# KiCad board rabbit_mask_video_edit.kicad_pcb (continued)
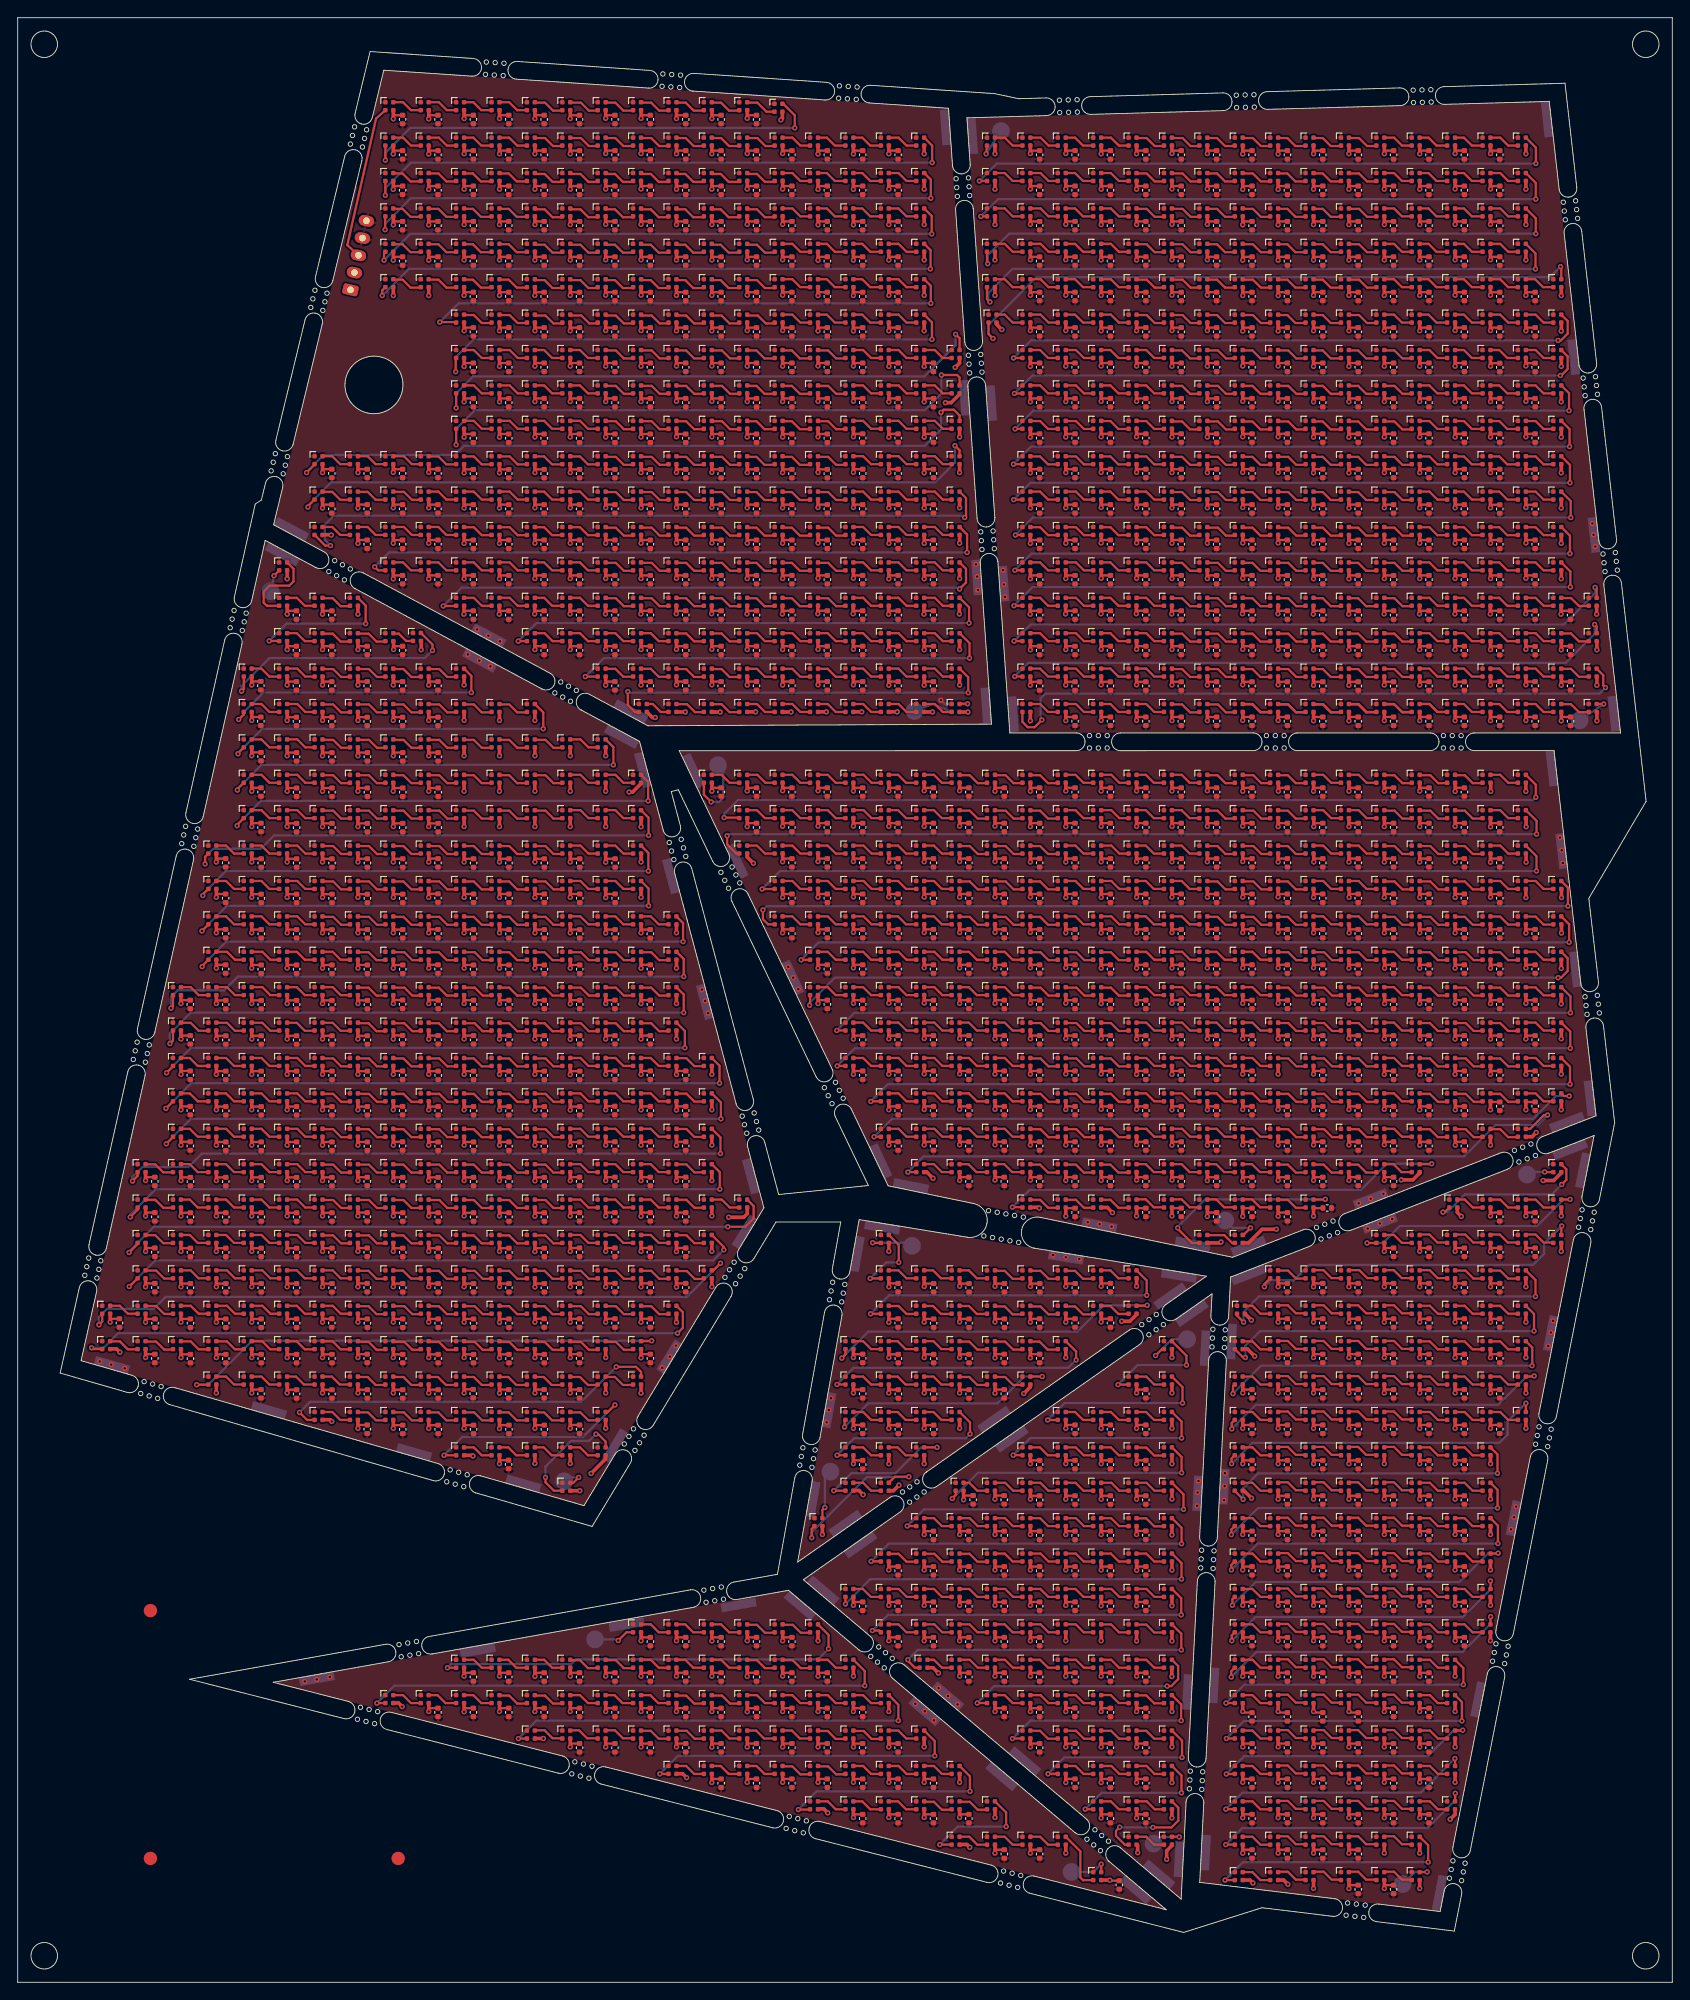
[diagram p0: board, top side]
## Placement (name value [footprint] x y rotation side) (continued)
D810  SK6812-1515  [LED_SK6812_EC15_1.5x1.5mm]  18 112 0 top
D811  SK6812-1515  [LED_SK6812_EC15_1.5x1.5mm]  22 112 0 top
D812  SK6812-1515  [LED_SK6812_EC15_1.5x1.5mm]  26 112 0 top
D813  SK6812-1515  [LED_SK6812_EC15_1.5x1.5mm]  30 112 0 top
D814  SK6812-1515  [LED_SK6812_EC15_1.5x1.5mm]  34 112 0 top
D815  SK6812-1515  [LED_SK6812_EC15_1.5x1.5mm]  38 112 0 top
D816  SK6812-1515  [LED_SK6812_EC15_1.5x1.5mm]  42 112 0 top
D817  SK6812-1515  [LED_SK6812_EC15_1.5x1.5mm]  46 112 0 top
D818  SK6812-1515  [LED_SK6812_EC15_1.5x1.5mm]  50 112 0 top
D819  SK6812-1515  [LED_SK6812_EC15_1.5x1.5mm]  54 112 0 top
D820  SK6812-1515  [LED_SK6812_EC15_1.5x1.5mm]  58 112 0 top
D821  SK6812-1515  [LED_SK6812_EC15_1.5x1.5mm]  62 112 0 top
D822  SK6812-1515  [LED_SK6812_EC15_1.5x1.5mm]  66 112 0 top
D823  SK6812-1515  [LED_SK6812_EC15_1.5x1.5mm]  70 112 0 top
D824  SK6812-1515  [LED_SK6812_EC15_1.5x1.5mm]  74 112 0 top
D825  SK6812-1515  [LED_SK6812_EC15_1.5x1.5mm]  90 112 0 top
D826  SK6812-1515  [LED_SK6812_EC15_1.5x1.5mm]  94 112 0 top
D827  SK6812-1515  [LED_SK6812_EC15_1.5x1.5mm]  98 112 0 top
D828  SK6812-1515  [LED_SK6812_EC15_1.5x1.5mm]  102 112 0 top
D829  SK6812-1515  [LED_SK6812_EC15_1.5x1.5mm]  106 112 0 top
D830  SK6812-1515  [LED_SK6812_EC15_1.5x1.5mm]  110 112 0 top
D831  SK6812-1515  [LED_SK6812_EC15_1.5x1.5mm]  114 112 0 top
D832  SK6812-1515  [LED_SK6812_EC15_1.5x1.5mm]  118 112 0 top
D833  SK6812-1515  [LED_SK6812_EC15_1.5x1.5mm]  122 112 0 top
D834  SK6812-1515  [LED_SK6812_EC15_1.5x1.5mm]  126 112 0 top
D835  SK6812-1515  [LED_SK6812_EC15_1.5x1.5mm]  130 112 0 top
D836  SK6812-1515  [LED_SK6812_EC15_1.5x1.5mm]  134 112 0 top
D837  SK6812-1515  [LED_SK6812_EC15_1.5x1.5mm]  138 112 0 top
D838  SK6812-1515  [LED_SK6812_EC15_1.5x1.5mm]  142 112 0 top
D839  SK6812-1515  [LED_SK6812_EC15_1.5x1.5mm]  146 112 0 top
D840  SK6812-1515  [LED_SK6812_EC15_1.5x1.5mm]  150 112 0 top
D841  SK6812-1515  [LED_SK6812_EC15_1.5x1.5mm]  154 112 0 top
D842  SK6812-1515  [LED_SK6812_EC15_1.5x1.5mm]  158 112 0 top
D843  SK6812-1515  [LED_SK6812_EC15_1.5x1.5mm]  162 112 0 top
D844  SK6812-1515  [LED_SK6812_EC15_1.5x1.5mm]  166 112 0 top
D845  SK6812-1515  [LED_SK6812_EC15_1.5x1.5mm]  170 112 0 top
D846  SK6812-1515  [LED_SK6812_EC15_1.5x1.5mm]  174 112 0 top
D847  SK6812-1515  [LED_SK6812_EC15_1.5x1.5mm]  18 108 0 top
D848  SK6812-1515  [LED_SK6812_EC15_1.5x1.5mm]  22 108 0 top
D849  SK6812-1515  [LED_SK6812_EC15_1.5x1.5mm]  26 108 0 top
D850  SK6812-1515  [LED_SK6812_EC15_1.5x1.5mm]  30 108 0 top
D851  SK6812-1515  [LED_SK6812_EC15_1.5x1.5mm]  34 108 0 top
D852  SK6812-1515  [LED_SK6812_EC15_1.5x1.5mm]  38 108 0 top
D853  SK6812-1515  [LED_SK6812_EC15_1.5x1.5mm]  42 108 0 top
D854  SK6812-1515  [LED_SK6812_EC15_1.5x1.5mm]  46 108 0 top
D855  SK6812-1515  [LED_SK6812_EC15_1.5x1.5mm]  50 108 0 top
D856  SK6812-1515  [LED_SK6812_EC15_1.5x1.5mm]  54 108 0 top
D857  SK6812-1515  [LED_SK6812_EC15_1.5x1.5mm]  58 108 0 top
D858  SK6812-1515  [LED_SK6812_EC15_1.5x1.5mm]  62 108 0 top
D859  SK6812-1515  [LED_SK6812_EC15_1.5x1.5mm]  66 108 0 top
D860  SK6812-1515  [LED_SK6812_EC15_1.5x1.5mm]  70 108 0 top
D861  SK6812-1515  [LED_SK6812_EC15_1.5x1.5mm]  74 108 0 top
D862  SK6812-1515  [LED_SK6812_EC15_1.5x1.5mm]  94 108 0 top
D863  SK6812-1515  [LED_SK6812_EC15_1.5x1.5mm]  98 108 0 top
D864  SK6812-1515  [LED_SK6812_EC15_1.5x1.5mm]  102 108 0 top
D865  SK6812-1515  [LED_SK6812_EC15_1.5x1.5mm]  106 108 0 top
D866  SK6812-1515  [LED_SK6812_EC15_1.5x1.5mm]  110 108 0 top
D867  SK6812-1515  [LED_SK6812_EC15_1.5x1.5mm]  114 108 0 top
D868  SK6812-1515  [LED_SK6812_EC15_1.5x1.5mm]  118 108 0 top
D869  SK6812-1515  [LED_SK6812_EC15_1.5x1.5mm]  122 108 0 top
D870  SK6812-1515  [LED_SK6812_EC15_1.5x1.5mm]  126 108 0 top
D871  SK6812-1515  [LED_SK6812_EC15_1.5x1.5mm]  130 108 0 top
D872  SK6812-1515  [LED_SK6812_EC15_1.5x1.5mm]  134 108 0 top
D873  SK6812-1515  [LED_SK6812_EC15_1.5x1.5mm]  138 108 0 top
D874  SK6812-1515  [LED_SK6812_EC15_1.5x1.5mm]  142 108 0 top
D875  SK6812-1515  [LED_SK6812_EC15_1.5x1.5mm]  146 108 0 top
D876  SK6812-1515  [LED_SK6812_EC15_1.5x1.5mm]  150 108 0 top
D877  SK6812-1515  [LED_SK6812_EC15_1.5x1.5mm]  154 108 0 top
D878  SK6812-1515  [LED_SK6812_EC15_1.5x1.5mm]  158 108 0 top
D879  SK6812-1515  [LED_SK6812_EC15_1.5x1.5mm]  162 108 0 top
D880  SK6812-1515  [LED_SK6812_EC15_1.5x1.5mm]  166 108 0 top
D881  SK6812-1515  [LED_SK6812_EC15_1.5x1.5mm]  170 108 0 top
D882  SK6812-1515  [LED_SK6812_EC15_1.5x1.5mm]  174 108 0 top
D883  SK6812-1515  [LED_SK6812_EC15_1.5x1.5mm]  18 104 0 top
D884  SK6812-1515  [LED_SK6812_EC15_1.5x1.5mm]  22 104 0 top
D885  SK6812-1515  [LED_SK6812_EC15_1.5x1.5mm]  26 104 0 top
D886  SK6812-1515  [LED_SK6812_EC15_1.5x1.5mm]  30 104 0 top
D887  SK6812-1515  [LED_SK6812_EC15_1.5x1.5mm]  34 104 0 top
D888  SK6812-1515  [LED_SK6812_EC15_1.5x1.5mm]  38 104 0 top
D889  SK6812-1515  [LED_SK6812_EC15_1.5x1.5mm]  42 104 0 top
D890  SK6812-1515  [LED_SK6812_EC15_1.5x1.5mm]  46 104 0 top
D891  SK6812-1515  [LED_SK6812_EC15_1.5x1.5mm]  50 104 0 top
D892  SK6812-1515  [LED_SK6812_EC15_1.5x1.5mm]  54 104 0 top
D893  SK6812-1515  [LED_SK6812_EC15_1.5x1.5mm]  58 104 0 top
D894  SK6812-1515  [LED_SK6812_EC15_1.5x1.5mm]  62 104 0 top
D895  SK6812-1515  [LED_SK6812_EC15_1.5x1.5mm]  66 104 0 top
D896  SK6812-1515  [LED_SK6812_EC15_1.5x1.5mm]  70 104 0 top
D897  SK6812-1515  [LED_SK6812_EC15_1.5x1.5mm]  74 104 0 top
D898  SK6812-1515  [LED_SK6812_EC15_1.5x1.5mm]  78 104 0 top
D899  SK6812-1515  [LED_SK6812_EC15_1.5x1.5mm]  94 104 0 top
D900  SK6812-1515  [LED_SK6812_EC15_1.5x1.5mm]  98 104 0 top
D901  SK6812-1515  [LED_SK6812_EC15_1.5x1.5mm]  102 104 0 top
D902  SK6812-1515  [LED_SK6812_EC15_1.5x1.5mm]  106 104 0 top
D903  SK6812-1515  [LED_SK6812_EC15_1.5x1.5mm]  110 104 0 top
D904  SK6812-1515  [LED_SK6812_EC15_1.5x1.5mm]  114 104 0 top
D905  SK6812-1515  [LED_SK6812_EC15_1.5x1.5mm]  118 104 0 top
D906  SK6812-1515  [LED_SK6812_EC15_1.5x1.5mm]  122 104 0 top
D907  SK6812-1515  [LED_SK6812_EC15_1.5x1.5mm]  126 104 0 top
D908  SK6812-1515  [LED_SK6812_EC15_1.5x1.5mm]  130 104 0 top
D909  SK6812-1515  [LED_SK6812_EC15_1.5x1.5mm]  134 104 0 top
D910  SK6812-1515  [LED_SK6812_EC15_1.5x1.5mm]  138 104 0 top
D911  SK6812-1515  [LED_SK6812_EC15_1.5x1.5mm]  142 104 0 top
D912  SK6812-1515  [LED_SK6812_EC15_1.5x1.5mm]  146 104 0 top
D913  SK6812-1515  [LED_SK6812_EC15_1.5x1.5mm]  150 104 0 top
D914  SK6812-1515  [LED_SK6812_EC15_1.5x1.5mm]  154 104 0 top
D915  SK6812-1515  [LED_SK6812_EC15_1.5x1.5mm]  158 104 0 top
D916  SK6812-1515  [LED_SK6812_EC15_1.5x1.5mm]  162 104 0 top
D917  SK6812-1515  [LED_SK6812_EC15_1.5x1.5mm]  166 104 0 top
D918  SK6812-1515  [LED_SK6812_EC15_1.5x1.5mm]  170 104 0 top
D919  SK6812-1515  [LED_SK6812_EC15_1.5x1.5mm]  174 104 0 top
D920  SK6812-1515  [LED_SK6812_EC15_1.5x1.5mm]  18 100 0 top
D921  SK6812-1515  [LED_SK6812_EC15_1.5x1.5mm]  22 100 0 top
D922  SK6812-1515  [LED_SK6812_EC15_1.5x1.5mm]  26 100 0 top
D923  SK6812-1515  [LED_SK6812_EC15_1.5x1.5mm]  30 100 0 top
D924  SK6812-1515  [LED_SK6812_EC15_1.5x1.5mm]  34 100 0 top
D925  SK6812-1515  [LED_SK6812_EC15_1.5x1.5mm]  38 100 0 top
D926  SK6812-1515  [LED_SK6812_EC15_1.5x1.5mm]  42 100 0 top
D927  SK6812-1515  [LED_SK6812_EC15_1.5x1.5mm]  46 100 0 top
D928  SK6812-1515  [LED_SK6812_EC15_1.5x1.5mm]  50 100 0 top
D929  SK6812-1515  [LED_SK6812_EC15_1.5x1.5mm]  54 100 0 top
D930  SK6812-1515  [LED_SK6812_EC15_1.5x1.5mm]  58 100 0 top
D931  SK6812-1515  [LED_SK6812_EC15_1.5x1.5mm]  62 100 0 top
D932  SK6812-1515  [LED_SK6812_EC15_1.5x1.5mm]  66 100 0 top
D933  SK6812-1515  [LED_SK6812_EC15_1.5x1.5mm]  70 100 0 top
D934  SK6812-1515  [LED_SK6812_EC15_1.5x1.5mm]  74 100 0 top
D935  SK6812-1515  [LED_SK6812_EC15_1.5x1.5mm]  78 100 0 top
D936  SK6812-1515  [LED_SK6812_EC15_1.5x1.5mm]  98 100 0 top
D937  SK6812-1515  [LED_SK6812_EC15_1.5x1.5mm]  102 100 0 top
D938  SK6812-1515  [LED_SK6812_EC15_1.5x1.5mm]  106 100 0 top
D939  SK6812-1515  [LED_SK6812_EC15_1.5x1.5mm]  110 100 0 top
D940  SK6812-1515  [LED_SK6812_EC15_1.5x1.5mm]  114 100 0 top
D941  SK6812-1515  [LED_SK6812_EC15_1.5x1.5mm]  118 100 0 top
D942  SK6812-1515  [LED_SK6812_EC15_1.5x1.5mm]  122 100 0 top
D943  SK6812-1515  [LED_SK6812_EC15_1.5x1.5mm]  126 100 0 top
D944  SK6812-1515  [LED_SK6812_EC15_1.5x1.5mm]  130 100 0 top
D945  SK6812-1515  [LED_SK6812_EC15_1.5x1.5mm]  134 100 0 top
D946  SK6812-1515  [LED_SK6812_EC15_1.5x1.5mm]  138 100 0 top
D947  SK6812-1515  [LED_SK6812_EC15_1.5x1.5mm]  142 100 0 top
D948  SK6812-1515  [LED_SK6812_EC15_1.5x1.5mm]  146 100 0 top
D949  SK6812-1515  [LED_SK6812_EC15_1.5x1.5mm]  150 100 0 top
D950  SK6812-1515  [LED_SK6812_EC15_1.5x1.5mm]  154 100 0 top
D951  SK6812-1515  [LED_SK6812_EC15_1.5x1.5mm]  158 100 0 top
D952  SK6812-1515  [LED_SK6812_EC15_1.5x1.5mm]  162 100 0 top
D953  SK6812-1515  [LED_SK6812_EC15_1.5x1.5mm]  166 100 0 top
D954  SK6812-1515  [LED_SK6812_EC15_1.5x1.5mm]  170 100 0 top
D955  SK6812-1515  [LED_SK6812_EC15_1.5x1.5mm]  174 100 0 top
D956  SK6812-1515  [LED_SK6812_EC15_1.5x1.5mm]  18 96 0 top
D957  SK6812-1515  [LED_SK6812_EC15_1.5x1.5mm]  22 96 0 top
D958  SK6812-1515  [LED_SK6812_EC15_1.5x1.5mm]  26 96 0 top
D959  SK6812-1515  [LED_SK6812_EC15_1.5x1.5mm]  30 96 0 top
D960  SK6812-1515  [LED_SK6812_EC15_1.5x1.5mm]  34 96 0 top
D961  SK6812-1515  [LED_SK6812_EC15_1.5x1.5mm]  38 96 0 top
D962  SK6812-1515  [LED_SK6812_EC15_1.5x1.5mm]  42 96 0 top
D963  SK6812-1515  [LED_SK6812_EC15_1.5x1.5mm]  46 96 0 top
D964  SK6812-1515  [LED_SK6812_EC15_1.5x1.5mm]  50 96 0 top
D965  SK6812-1515  [LED_SK6812_EC15_1.5x1.5mm]  54 96 0 top
D966  SK6812-1515  [LED_SK6812_EC15_1.5x1.5mm]  58 96 0 top
D967  SK6812-1515  [LED_SK6812_EC15_1.5x1.5mm]  62 96 0 top
D968  SK6812-1515  [LED_SK6812_EC15_1.5x1.5mm]  66 96 0 top
D969  SK6812-1515  [LED_SK6812_EC15_1.5x1.5mm]  70 96 0 top
D970  SK6812-1515  [LED_SK6812_EC15_1.5x1.5mm]  74 96 0 top
D971  SK6812-1515  [LED_SK6812_EC15_1.5x1.5mm]  78 96 0 top
D972  SK6812-1515  [LED_SK6812_EC15_1.5x1.5mm]  98 96 0 top
D973  SK6812-1515  [LED_SK6812_EC15_1.5x1.5mm]  102 96 0 top
D974  SK6812-1515  [LED_SK6812_EC15_1.5x1.5mm]  106 96 0 top
D975  SK6812-1515  [LED_SK6812_EC15_1.5x1.5mm]  110 96 0 top
D976  SK6812-1515  [LED_SK6812_EC15_1.5x1.5mm]  114 96 0 top
D977  SK6812-1515  [LED_SK6812_EC15_1.5x1.5mm]  118 96 0 top
D978  SK6812-1515  [LED_SK6812_EC15_1.5x1.5mm]  122 96 0 top
D979  SK6812-1515  [LED_SK6812_EC15_1.5x1.5mm]  126 96 0 top
D980  SK6812-1515  [LED_SK6812_EC15_1.5x1.5mm]  130 96 0 top
D981  SK6812-1515  [LED_SK6812_EC15_1.5x1.5mm]  134 96 0 top
D982  SK6812-1515  [LED_SK6812_EC15_1.5x1.5mm]  138 96 0 top
D983  SK6812-1515  [LED_SK6812_EC15_1.5x1.5mm]  142 96 0 top
D984  SK6812-1515  [LED_SK6812_EC15_1.5x1.5mm]  146 96 0 top
D985  SK6812-1515  [LED_SK6812_EC15_1.5x1.5mm]  150 96 0 top
D986  SK6812-1515  [LED_SK6812_EC15_1.5x1.5mm]  154 96 0 top
D987  SK6812-1515  [LED_SK6812_EC15_1.5x1.5mm]  158 96 0 top
D988  SK6812-1515  [LED_SK6812_EC15_1.5x1.5mm]  162 96 0 top
D989  SK6812-1515  [LED_SK6812_EC15_1.5x1.5mm]  166 96 0 top
D990  SK6812-1515  [LED_SK6812_EC15_1.5x1.5mm]  170 96 0 top
D991  SK6812-1515  [LED_SK6812_EC15_1.5x1.5mm]  14 92 0 top
D992  SK6812-1515  [LED_SK6812_EC15_1.5x1.5mm]  18 92 0 top
D993  SK6812-1515  [LED_SK6812_EC15_1.5x1.5mm]  22 92 0 top
D994  SK6812-1515  [LED_SK6812_EC15_1.5x1.5mm]  26 92 0 top
D995  SK6812-1515  [LED_SK6812_EC15_1.5x1.5mm]  30 92 0 top
D996  SK6812-1515  [LED_SK6812_EC15_1.5x1.5mm]  34 92 0 top
D997  SK6812-1515  [LED_SK6812_EC15_1.5x1.5mm]  38 92 0 top
D998  SK6812-1515  [LED_SK6812_EC15_1.5x1.5mm]  42 92 0 top
D999  SK6812-1515  [LED_SK6812_EC15_1.5x1.5mm]  46 92 0 top
D1000  SK6812-1515  [LED_SK6812_EC15_1.5x1.5mm]  50 92 0 top
D1001  SK6812-1515  [LED_SK6812_EC15_1.5x1.5mm]  54 92 0 top
D1002  SK6812-1515  [LED_SK6812_EC15_1.5x1.5mm]  58 92 0 top
D1003  SK6812-1515  [LED_SK6812_EC15_1.5x1.5mm]  62 92 0 top
D1004  SK6812-1515  [LED_SK6812_EC15_1.5x1.5mm]  66 92 0 top
D1005  SK6812-1515  [LED_SK6812_EC15_1.5x1.5mm]  70 92 0 top
D1006  SK6812-1515  [LED_SK6812_EC15_1.5x1.5mm]  74 92 0 top
D1007  SK6812-1515  [LED_SK6812_EC15_1.5x1.5mm]  78 92 0 top
D1008  SK6812-1515  [LED_SK6812_EC15_1.5x1.5mm]  102 92 0 top
D1009  SK6812-1515  [LED_SK6812_EC15_1.5x1.5mm]  106 92 0 top
D1010  SK6812-1515  [LED_SK6812_EC15_1.5x1.5mm]  110 92 0 top
D1011  SK6812-1515  [LED_SK6812_EC15_1.5x1.5mm]  114 92 0 top
D1012  SK6812-1515  [LED_SK6812_EC15_1.5x1.5mm]  118 92 0 top
D1013  SK6812-1515  [LED_SK6812_EC15_1.5x1.5mm]  122 92 0 top
D1014  SK6812-1515  [LED_SK6812_EC15_1.5x1.5mm]  126 92 0 top
D1015  SK6812-1515  [LED_SK6812_EC15_1.5x1.5mm]  130 92 0 top
D1016  SK6812-1515  [LED_SK6812_EC15_1.5x1.5mm]  134 92 0 top
D1017  SK6812-1515  [LED_SK6812_EC15_1.5x1.5mm]  138 92 0 top
D1018  SK6812-1515  [LED_SK6812_EC15_1.5x1.5mm]  142 92 0 top
D1019  SK6812-1515  [LED_SK6812_EC15_1.5x1.5mm]  146 92 0 top
D1020  SK6812-1515  [LED_SK6812_EC15_1.5x1.5mm]  150 92 0 top
D1021  SK6812-1515  [LED_SK6812_EC15_1.5x1.5mm]  154 92 0 top
D1022  SK6812-1515  [LED_SK6812_EC15_1.5x1.5mm]  158 92 0 top
D1023  SK6812-1515  [LED_SK6812_EC15_1.5x1.5mm]  174 92 0 top
D1024  SK6812-1515  [LED_SK6812_EC15_1.5x1.5mm]  14 88 0 top
D1025  SK6812-1515  [LED_SK6812_EC15_1.5x1.5mm]  18 88 0 top
D1026  SK6812-1515  [LED_SK6812_EC15_1.5x1.5mm]  22 88 0 top
D1027  SK6812-1515  [LED_SK6812_EC15_1.5x1.5mm]  26 88 0 top
D1028  SK6812-1515  [LED_SK6812_EC15_1.5x1.5mm]  30 88 0 top
D1029  SK6812-1515  [LED_SK6812_EC15_1.5x1.5mm]  34 88 0 top
D1030  SK6812-1515  [LED_SK6812_EC15_1.5x1.5mm]  38 88 0 top
D1031  SK6812-1515  [LED_SK6812_EC15_1.5x1.5mm]  42 88 0 top
D1032  SK6812-1515  [LED_SK6812_EC15_1.5x1.5mm]  46 88 0 top
D1033  SK6812-1515  [LED_SK6812_EC15_1.5x1.5mm]  50 88 0 top
D1034  SK6812-1515  [LED_SK6812_EC15_1.5x1.5mm]  54 88 0 top
D1035  SK6812-1515  [LED_SK6812_EC15_1.5x1.5mm]  58 88 0 top
D1036  SK6812-1515  [LED_SK6812_EC15_1.5x1.5mm]  62 88 0 top
D1037  SK6812-1515  [LED_SK6812_EC15_1.5x1.5mm]  66 88 0 top
D1038  SK6812-1515  [LED_SK6812_EC15_1.5x1.5mm]  70 88 0 top
D1039  SK6812-1515  [LED_SK6812_EC15_1.5x1.5mm]  74 88 0 top
D1040  SK6812-1515  [LED_SK6812_EC15_1.5x1.5mm]  78 88 0 top
D1041  SK6812-1515  [LED_SK6812_EC15_1.5x1.5mm]  82 88 0 top
D1042  SK6812-1515  [LED_SK6812_EC15_1.5x1.5mm]  114 88 0 top
D1043  SK6812-1515  [LED_SK6812_EC15_1.5x1.5mm]  118 88 0 top
D1044  SK6812-1515  [LED_SK6812_EC15_1.5x1.5mm]  122 88 0 top
D1045  SK6812-1515  [LED_SK6812_EC15_1.5x1.5mm]  126 88 0 top
D1046  SK6812-1515  [LED_SK6812_EC15_1.5x1.5mm]  130 88 0 top
D1047  SK6812-1515  [LED_SK6812_EC15_1.5x1.5mm]  134 88 0 top
D1048  SK6812-1515  [LED_SK6812_EC15_1.5x1.5mm]  138 88 0 top
D1049  SK6812-1515  [LED_SK6812_EC15_1.5x1.5mm]  142 88 0 top
D1050  SK6812-1515  [LED_SK6812_EC15_1.5x1.5mm]  146 88 0 top
D1051  SK6812-1515  [LED_SK6812_EC15_1.5x1.5mm]  162.25 88 0 top
D1052  SK6812-1515  [LED_SK6812_EC15_1.5x1.5mm]  166 88 0 top
D1053  SK6812-1515  [LED_SK6812_EC15_1.5x1.5mm]  170 88 0 top
D1054  SK6812-1515  [LED_SK6812_EC15_1.5x1.5mm]  174 88 0 top
D1055  SK6812-1515  [LED_SK6812_EC15_1.5x1.5mm]  14 84 0 top
D1056  SK6812-1515  [LED_SK6812_EC15_1.5x1.5mm]  18 84 0 top
D1057  SK6812-1515  [LED_SK6812_EC15_1.5x1.5mm]  22 84 0 top
D1058  SK6812-1515  [LED_SK6812_EC15_1.5x1.5mm]  26 84 0 top
D1059  SK6812-1515  [LED_SK6812_EC15_1.5x1.5mm]  30 84 0 top
D1060  SK6812-1515  [LED_SK6812_EC15_1.5x1.5mm]  34 84 0 top
D1061  SK6812-1515  [LED_SK6812_EC15_1.5x1.5mm]  38 84 0 top
D1062  SK6812-1515  [LED_SK6812_EC15_1.5x1.5mm]  42 84 0 top
D1063  SK6812-1515  [LED_SK6812_EC15_1.5x1.5mm]  46 84 0 top
D1064  SK6812-1515  [LED_SK6812_EC15_1.5x1.5mm]  50 84 0 top
D1065  SK6812-1515  [LED_SK6812_EC15_1.5x1.5mm]  54 84 0 top
D1066  SK6812-1515  [LED_SK6812_EC15_1.5x1.5mm]  58 84 0 top
D1067  SK6812-1515  [LED_SK6812_EC15_1.5x1.5mm]  62 84 0 top
D1068  SK6812-1515  [LED_SK6812_EC15_1.5x1.5mm]  66 84 0 top
D1069  SK6812-1515  [LED_SK6812_EC15_1.5x1.5mm]  70 84 0 top
D1070  SK6812-1515  [LED_SK6812_EC15_1.5x1.5mm]  74 84 0 top
D1071  SK6812-1515  [LED_SK6812_EC15_1.5x1.5mm]  78 84 0 top
D1072  SK6812-1515  [LED_SK6812_EC15_1.5x1.5mm]  98 84 0 top
D1073  SK6812-1515  [LED_SK6812_EC15_1.5x1.5mm]  134 84 0 top
D1074  SK6812-1515  [LED_SK6812_EC15_1.5x1.5mm]  138 84 0 top
D1075  SK6812-1515  [LED_SK6812_EC15_1.5x1.5mm]  154 84 0 top
D1076  SK6812-1515  [LED_SK6812_EC15_1.5x1.5mm]  158 84 0 top
D1077  SK6812-1515  [LED_SK6812_EC15_1.5x1.5mm]  162 84 0 top
D1078  SK6812-1515  [LED_SK6812_EC15_1.5x1.5mm]  166 84 0 top
D1079  SK6812-1515  [LED_SK6812_EC15_1.5x1.5mm]  170 84 0 top
D1080  SK6812-1515  [LED_SK6812_EC15_1.5x1.5mm]  174 84 0 top
D1081  SK6812-1515  [LED_SK6812_EC15_1.5x1.5mm]  14 80 0 top
D1082  SK6812-1515  [LED_SK6812_EC15_1.5x1.5mm]  18 80 0 top
D1083  SK6812-1515  [LED_SK6812_EC15_1.5x1.5mm]  22 80 0 top
D1084  SK6812-1515  [LED_SK6812_EC15_1.5x1.5mm]  26 80 0 top
D1085  SK6812-1515  [LED_SK6812_EC15_1.5x1.5mm]  30 80 0 top
D1086  SK6812-1515  [LED_SK6812_EC15_1.5x1.5mm]  34 80 0 top
D1087  SK6812-1515  [LED_SK6812_EC15_1.5x1.5mm]  38 80 0 top
D1088  SK6812-1515  [LED_SK6812_EC15_1.5x1.5mm]  42 80 0 top
D1089  SK6812-1515  [LED_SK6812_EC15_1.5x1.5mm]  46 80 0 top
D1090  SK6812-1515  [LED_SK6812_EC15_1.5x1.5mm]  50 80 0 top
D1091  SK6812-1515  [LED_SK6812_EC15_1.5x1.5mm]  54 80 0 top
D1092  SK6812-1515  [LED_SK6812_EC15_1.5x1.5mm]  58 80 0 top
D1093  SK6812-1515  [LED_SK6812_EC15_1.5x1.5mm]  62 80 0 top
D1094  SK6812-1515  [LED_SK6812_EC15_1.5x1.5mm]  66 80 0 top
D1095  SK6812-1515  [LED_SK6812_EC15_1.5x1.5mm]  70 80 0 top
D1096  SK6812-1515  [LED_SK6812_EC15_1.5x1.5mm]  74 80 0 top
D1097  SK6812-1515  [LED_SK6812_EC15_1.5x1.5mm]  78 80 0 top
D1098  SK6812-1515  [LED_SK6812_EC15_1.5x1.5mm]  98 80 0 top
D1099  SK6812-1515  [LED_SK6812_EC15_1.5x1.5mm]  102 80 0 top
D1100  SK6812-1515  [LED_SK6812_EC15_1.5x1.5mm]  106 80 0 top
D1101  SK6812-1515  [LED_SK6812_EC15_1.5x1.5mm]  110 80 0 top
D1102  SK6812-1515  [LED_SK6812_EC15_1.5x1.5mm]  114 80 0 top
D1103  SK6812-1515  [LED_SK6812_EC15_1.5x1.5mm]  118 80 0 top
D1104  SK6812-1515  [LED_SK6812_EC15_1.5x1.5mm]  122 80 0 top
D1105  SK6812-1515  [LED_SK6812_EC15_1.5x1.5mm]  126 80 0 top
D1106  SK6812-1515  [LED_SK6812_EC15_1.5x1.5mm]  142 80 0 top
D1107  SK6812-1515  [LED_SK6812_EC15_1.5x1.5mm]  146 80 0 top
D1108  SK6812-1515  [LED_SK6812_EC15_1.5x1.5mm]  150 80 0 top
D1109  SK6812-1515  [LED_SK6812_EC15_1.5x1.5mm]  154 80 0 top
D1110  SK6812-1515  [LED_SK6812_EC15_1.5x1.5mm]  158 80 0 top
D1111  SK6812-1515  [LED_SK6812_EC15_1.5x1.5mm]  162 80 0 top
D1112  SK6812-1515  [LED_SK6812_EC15_1.5x1.5mm]  166 80 0 top
D1113  SK6812-1515  [LED_SK6812_EC15_1.5x1.5mm]  170 80 0 top
D1114  SK6812-1515  [LED_SK6812_EC15_1.5x1.5mm]  10 76 0 top
D1115  SK6812-1515  [LED_SK6812_EC15_1.5x1.5mm]  14 76 0 top
D1116  SK6812-1515  [LED_SK6812_EC15_1.5x1.5mm]  18 76 0 top
D1117  SK6812-1515  [LED_SK6812_EC15_1.5x1.5mm]  22 76 0 top
D1118  SK6812-1515  [LED_SK6812_EC15_1.5x1.5mm]  26 76 0 top
D1119  SK6812-1515  [LED_SK6812_EC15_1.5x1.5mm]  30 76 0 top
D1120  SK6812-1515  [LED_SK6812_EC15_1.5x1.5mm]  34 76 0 top
D1121  SK6812-1515  [LED_SK6812_EC15_1.5x1.5mm]  38 76 0 top
D1122  SK6812-1515  [LED_SK6812_EC15_1.5x1.5mm]  42 76 0 top
D1123  SK6812-1515  [LED_SK6812_EC15_1.5x1.5mm]  46 76 0 top
D1124  SK6812-1515  [LED_SK6812_EC15_1.5x1.5mm]  50 76 0 top
D1125  SK6812-1515  [LED_SK6812_EC15_1.5x1.5mm]  54 76 0 top
D1126  SK6812-1515  [LED_SK6812_EC15_1.5x1.5mm]  58 76 0 top
D1127  SK6812-1515  [LED_SK6812_EC15_1.5x1.5mm]  62 76 0 top
D1128  SK6812-1515  [LED_SK6812_EC15_1.5x1.5mm]  66 76 0 top
D1129  SK6812-1515  [LED_SK6812_EC15_1.5x1.5mm]  70 76 0 top
D1130  SK6812-1515  [LED_SK6812_EC15_1.5x1.5mm]  74 76 0 top
D1131  SK6812-1515  [LED_SK6812_EC15_1.5x1.5mm]  98 76 0 top
D1132  SK6812-1515  [LED_SK6812_EC15_1.5x1.5mm]  102 76 0 top
D1133  SK6812-1515  [LED_SK6812_EC15_1.5x1.5mm]  106 76 0 top
D1134  SK6812-1515  [LED_SK6812_EC15_1.5x1.5mm]  110 76 0 top
D1135  SK6812-1515  [LED_SK6812_EC15_1.5x1.5mm]  114 76 0 top
D1136  SK6812-1515  [LED_SK6812_EC15_1.5x1.5mm]  118 76 0 top
D1137  SK6812-1515  [LED_SK6812_EC15_1.5x1.5mm]  122 76 0 top
D1138  SK6812-1515  [LED_SK6812_EC15_1.5x1.5mm]  126 76 0 top
D1139  SK6812-1515  [LED_SK6812_EC15_1.5x1.5mm]  138.25 76 0 top
D1140  SK6812-1515  [LED_SK6812_EC15_1.5x1.5mm]  142 76 0 top
D1141  SK6812-1515  [LED_SK6812_EC15_1.5x1.5mm]  146 76 0 top
D1142  SK6812-1515  [LED_SK6812_EC15_1.5x1.5mm]  150 76 0 top
D1143  SK6812-1515  [LED_SK6812_EC15_1.5x1.5mm]  154 76 0 top
D1144  SK6812-1515  [LED_SK6812_EC15_1.5x1.5mm]  158 76 0 top
D1145  SK6812-1515  [LED_SK6812_EC15_1.5x1.5mm]  162 76 0 top
D1146  SK6812-1515  [LED_SK6812_EC15_1.5x1.5mm]  166 76 0 top
D1147  SK6812-1515  [LED_SK6812_EC15_1.5x1.5mm]  170 76 0 top
D1148  SK6812-1515  [LED_SK6812_EC15_1.5x1.5mm]  10 72 0 top
D1149  SK6812-1515  [LED_SK6812_EC15_1.5x1.5mm]  14 72 0 top
D1150  SK6812-1515  [LED_SK6812_EC15_1.5x1.5mm]  18 72 0 top
D1151  SK6812-1515  [LED_SK6812_EC15_1.5x1.5mm]  22 72 0 top
D1152  SK6812-1515  [LED_SK6812_EC15_1.5x1.5mm]  26 72 0 top
D1153  SK6812-1515  [LED_SK6812_EC15_1.5x1.5mm]  30 72 0 top
D1154  SK6812-1515  [LED_SK6812_EC15_1.5x1.5mm]  34 72 0 top
D1155  SK6812-1515  [LED_SK6812_EC15_1.5x1.5mm]  38 72 0 top
D1156  SK6812-1515  [LED_SK6812_EC15_1.5x1.5mm]  42 72 0 top
D1157  SK6812-1515  [LED_SK6812_EC15_1.5x1.5mm]  46 72 0 top
D1158  SK6812-1515  [LED_SK6812_EC15_1.5x1.5mm]  50 72 0 top
D1159  SK6812-1515  [LED_SK6812_EC15_1.5x1.5mm]  54 72 0 top
D1160  SK6812-1515  [LED_SK6812_EC15_1.5x1.5mm]  58 72 0 top
D1161  SK6812-1515  [LED_SK6812_EC15_1.5x1.5mm]  62 72 0 top
D1162  SK6812-1515  [LED_SK6812_EC15_1.5x1.5mm]  66 72 0 top
D1163  SK6812-1515  [LED_SK6812_EC15_1.5x1.5mm]  70 72 0 top
D1164  SK6812-1515  [LED_SK6812_EC15_1.5x1.5mm]  94 72 0 top
D1165  SK6812-1515  [LED_SK6812_EC15_1.5x1.5mm]  98 72 0 top
D1166  SK6812-1515  [LED_SK6812_EC15_1.5x1.5mm]  102 72 0 top
D1167  SK6812-1515  [LED_SK6812_EC15_1.5x1.5mm]  106 72 0 top
D1168  SK6812-1515  [LED_SK6812_EC15_1.5x1.5mm]  110 72 0 top
D1169  SK6812-1515  [LED_SK6812_EC15_1.5x1.5mm]  114 72 0 top
D1170  SK6812-1515  [LED_SK6812_EC15_1.5x1.5mm]  118 72 0 top
D1171  SK6812-1515  [LED_SK6812_EC15_1.5x1.5mm]  130 72 0 top
D1172  SK6812-1515  [LED_SK6812_EC15_1.5x1.5mm]  138 72 0 top
D1173  SK6812-1515  [LED_SK6812_EC15_1.5x1.5mm]  142 72 0 top
D1174  SK6812-1515  [LED_SK6812_EC15_1.5x1.5mm]  146 72 0 top
D1175  SK6812-1515  [LED_SK6812_EC15_1.5x1.5mm]  150 72 0 top
D1176  SK6812-1515  [LED_SK6812_EC15_1.5x1.5mm]  154 72 0 top
D1177  SK6812-1515  [LED_SK6812_EC15_1.5x1.5mm]  158 72 0 top
D1178  SK6812-1515  [LED_SK6812_EC15_1.5x1.5mm]  162 72 0 top
D1179  SK6812-1515  [LED_SK6812_EC15_1.5x1.5mm]  166 72 0 top
D1180  SK6812-1515  [LED_SK6812_EC15_1.5x1.5mm]  170 72 0 top
D1181  SK6812-1515  [LED_SK6812_EC15_1.5x1.5mm]  22 68 0 top
D1182  SK6812-1515  [LED_SK6812_EC15_1.5x1.5mm]  26 68 0 top
D1183  SK6812-1515  [LED_SK6812_EC15_1.5x1.5mm]  30 68 0 top
D1184  SK6812-1515  [LED_SK6812_EC15_1.5x1.5mm]  34 68 0 top
D1185  SK6812-1515  [LED_SK6812_EC15_1.5x1.5mm]  38 68 0 top
D1186  SK6812-1515  [LED_SK6812_EC15_1.5x1.5mm]  42 68 0 top
D1187  SK6812-1515  [LED_SK6812_EC15_1.5x1.5mm]  46 68 0 top
D1188  SK6812-1515  [LED_SK6812_EC15_1.5x1.5mm]  50 68 0 top
D1189  SK6812-1515  [LED_SK6812_EC15_1.5x1.5mm]  54 68 0 top
D1190  SK6812-1515  [LED_SK6812_EC15_1.5x1.5mm]  58 68 0 top
D1191  SK6812-1515  [LED_SK6812_EC15_1.5x1.5mm]  62 68 0 top
D1192  SK6812-1515  [LED_SK6812_EC15_1.5x1.5mm]  66 68 0 top
D1193  SK6812-1515  [LED_SK6812_EC15_1.5x1.5mm]  70 68 0 top
D1194  SK6812-1515  [LED_SK6812_EC15_1.5x1.5mm]  94 68 0 top
D1195  SK6812-1515  [LED_SK6812_EC15_1.5x1.5mm]  98 68 0 top
D1196  SK6812-1515  [LED_SK6812_EC15_1.5x1.5mm]  102 68 0 top
D1197  SK6812-1515  [LED_SK6812_EC15_1.5x1.5mm]  106 68 0 top
D1198  SK6812-1515  [LED_SK6812_EC15_1.5x1.5mm]  110 68 0 top
D1199  SK6812-1515  [LED_SK6812_EC15_1.5x1.5mm]  114 68 0 top
D1200  SK6812-1515  [LED_SK6812_EC15_1.5x1.5mm]  126 68 0 top
D1201  SK6812-1515  [LED_SK6812_EC15_1.5x1.5mm]  130 68 0 top
D1202  SK6812-1515  [LED_SK6812_EC15_1.5x1.5mm]  138 68 0 top
D1203  SK6812-1515  [LED_SK6812_EC15_1.5x1.5mm]  142 68 0 top
D1204  SK6812-1515  [LED_SK6812_EC15_1.5x1.5mm]  146 68 0 top
D1205  SK6812-1515  [LED_SK6812_EC15_1.5x1.5mm]  150 68 0 top
D1206  SK6812-1515  [LED_SK6812_EC15_1.5x1.5mm]  154 68 0 top
D1207  SK6812-1515  [LED_SK6812_EC15_1.5x1.5mm]  158 68 0 top
D1208  SK6812-1515  [LED_SK6812_EC15_1.5x1.5mm]  162 68 0 top
D1209  SK6812-1515  [LED_SK6812_EC15_1.5x1.5mm]  166 68 0 top
D1210  SK6812-1515  [LED_SK6812_EC15_1.5x1.5mm]  170 68 0 top
D1211  SK6812-1515  [LED_SK6812_EC15_1.5x1.5mm]  34 64 0 top
D1212  SK6812-1515  [LED_SK6812_EC15_1.5x1.5mm]  38 64 0 top
D1213  SK6812-1515  [LED_SK6812_EC15_1.5x1.5mm]  42 64 0 top
D1214  SK6812-1515  [LED_SK6812_EC15_1.5x1.5mm]  46 64 0 top
D1215  SK6812-1515  [LED_SK6812_EC15_1.5x1.5mm]  50 64 0 top
D1216  SK6812-1515  [LED_SK6812_EC15_1.5x1.5mm]  54 64 0 top
